# Allegro board LAY-27392_C.brd (continued)
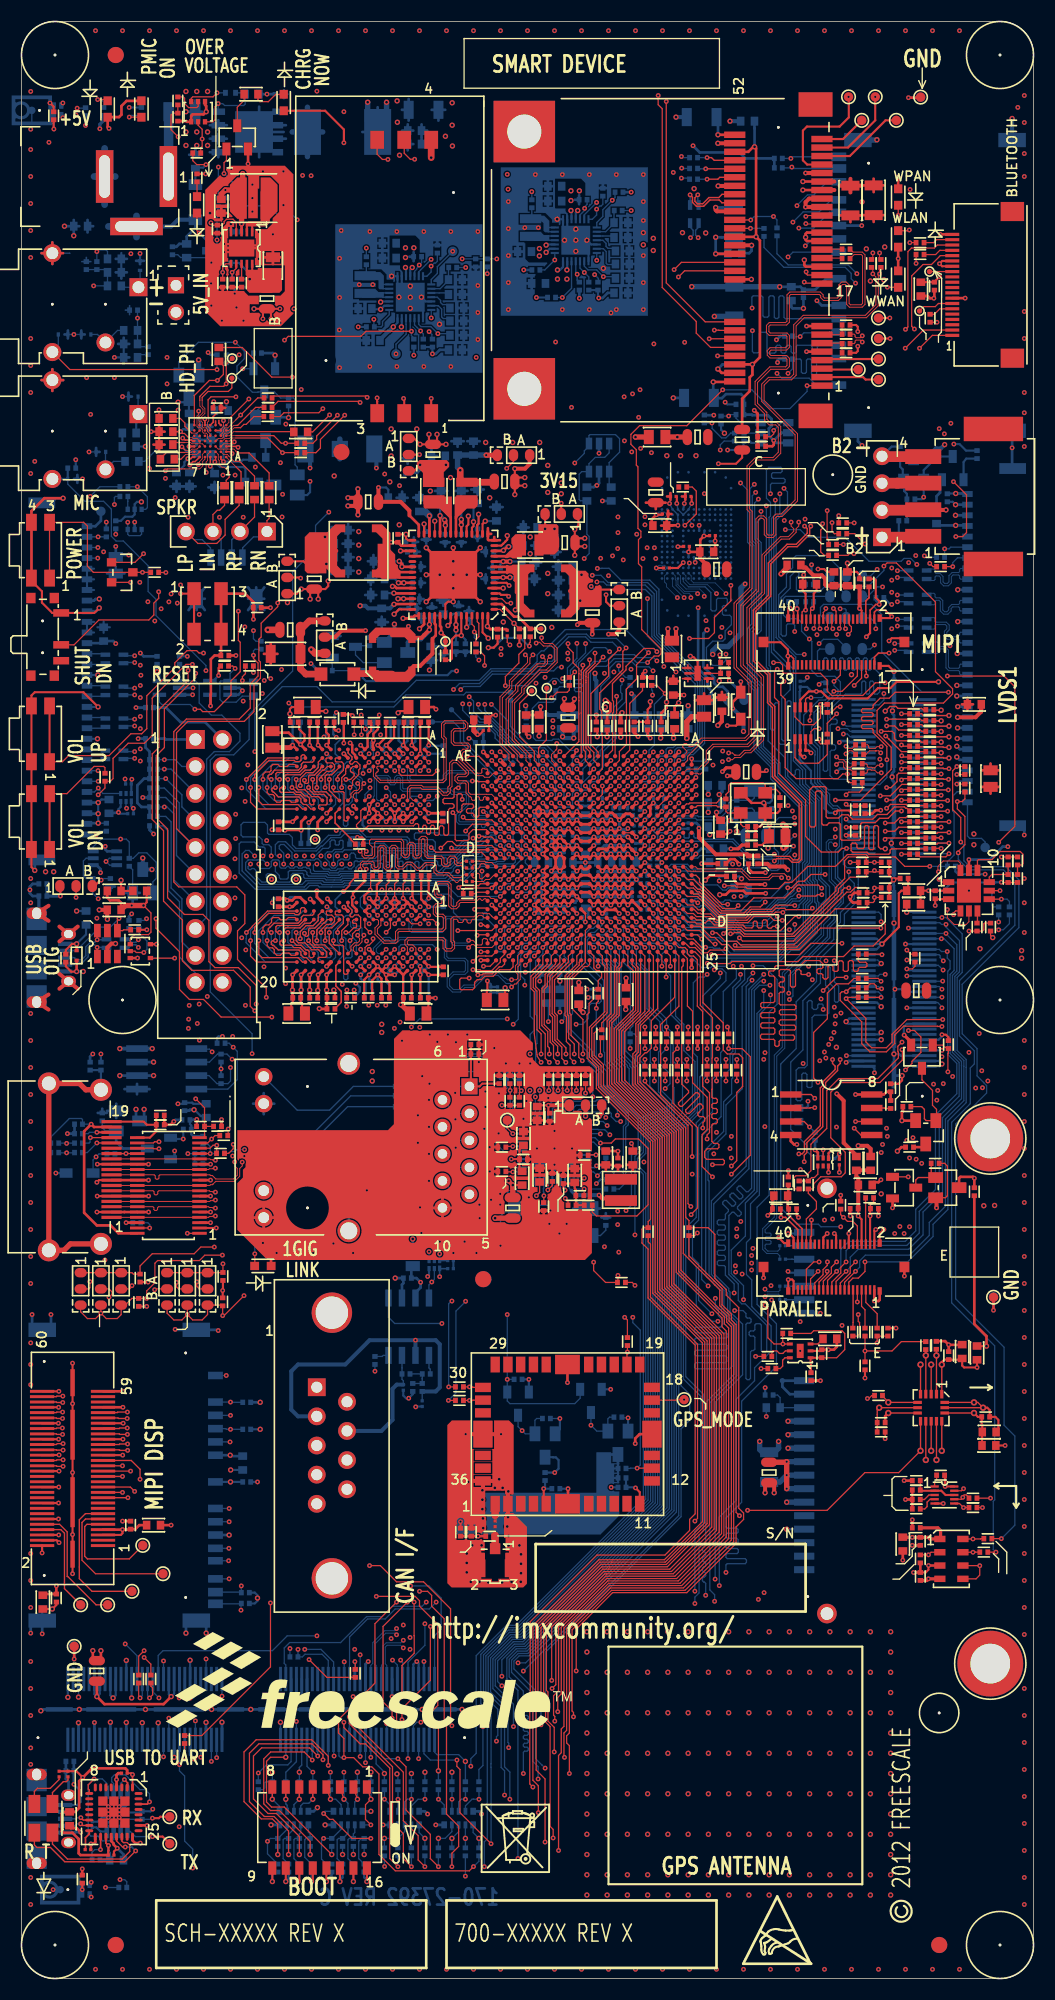
[diagram p0: board, top side]
## Routing (per net, layer and track width the routed paths; a pad name or vN(x,y) marks a point on that pad's centre or on a via; arc(x,y) is an arc through that point) (continued)
ZQPAD: length 1.6
  TOP w0.119: U1.AE17 42.8,102.21 42.67,102.08 R107.1

## Copper pours and planes (outline as drawn; the poured copper is in the pictures)
5V_IN on BOTTOM: 34.9,163.73 34.9,161.44 35.89,161.44 35.89,160.88 35.97,160.81 36.98,160.81 37.24,161.06 37.24,163.47 36.98,163.73
5V_IN on BOTTOM: 15.11,177.8 15.11,171.2 19.69,171.2 19.69,175.26 17.91,175.26 17.91,177.8
5V_IN on BOTTOM: 50.47,169.09 50.47,166.8 51.46,166.8 51.46,166.24 51.54,166.17 52.55,166.17 52.81,166.42 52.81,168.83 52.55,169.09
5V_IN on L4_PWR_1: 61.82,164.34 61.82,179.04 13.97,179.04 13.97,158.09 20.88,158.09 20.88,163.98 20.9,164.01 20.9,166.88 19.69,168.1 19.69,170.43 22.86,173.61 34.26,173.61 34.26,159.94 49.1,159.94 49.35,160.2 49.35,161.72 50.6,162.97 57.2,162.97 58.57,164.34
5V_IN on L6_INT_2: 53.47,165.46 52.73,164.72 51.03,164.72 51.03,169.16 51.28,169.42 60.66,169.42 62.71,167.36 68.33,167.36 70.69,165 70.69,161.85 78.05,154.48 93.73,154.48 94.74,153.47 94.74,86.39 93.88,85.52 86.03,85.52 85.8,85.75 85.8,87.53 86.11,87.83 89.51,87.83 90.3,88.62 90.3,89.15 89.26,90.2 89.26,93.52 90.65,94.92 90.65,95.66 92.08,97.08 92.08,122.81 90.65,124.23 90.65,139.55 88.34,141.86 88.34,145.67 87.38,146.63 79.93,146.63 65.89,160.68 61.75,160.68 56.97,165.46 ; 1 cut-out
DVDDL_RGMII on TOP: 54.36,75.77 54.36,74.55 58.04,74.55 58.04,76.96 54.03,76.96 53.9,76.83 53.9,76.23
GND on TOP (solid shape): outline of 162 points within 40.08,36.8 47.57,52.53
GND on TOP (solid shape): outline of 461 points within 17.3,155.45 25.6,170.56
GND on TOP (solid shape): outline of 2453 points within 20.32,67.61 53.85,89.23
GND on BOTTOM (solid shape): outline of 791 points within 45.11,156.44 58.95,170.41
GND on BOTTOM (solid shape): outline of 848 points within 29.54,151.08 43.38,165.05
GND on L3_INT_1 (solid shape): 82.17,6.73 52.7,6.73 52.7,33.27 82.17,33.27
GND on L4_PWR_1 (solid shape): outline of 83 points within 41.15,36.32 48.13,47.75
GND on TOP: 52.7,33.27 52.7,6.73 82.17,6.73 82.17,33.27
GND on TOP: 57.02,145.82 32.82,145.82 32.03,145.03 32.03,142.62 31.27,141.86 26.49,141.86 25.45,140.82 25.45,135.41 23.62,133.58 23.67,133.53 23.67,126.47 23.14,126.47 22.59,125.92 22.59,123.89 22.68,123.8 22.68,122.91 23.67,121.92 23.67,120.98 23.72,120.93 43.28,120.93 48.13,125.78 48.41,125.78 48.84,126.21 57.61,126.21 57.61,145.24 ; 15 cut-outs
GND on TOP: 74.85,166.37 74.85,164.97 76.63,164.97 76.86,164.74 81.36,164.74 81.56,164.95 81.56,166.24 81.43,166.37
GND on BOTTOM: 22.45,67.94 21.41,68.99 21.41,86.23 23.37,88.19 34.8,88.19 35.84,89.23 46.1,89.23 47.14,88.19 47.14,87.25 55.88,87.25 55.88,73.99 56.67,73.2 56.67,68.25 56.36,67.94 ; 12 cut-outs
GND on BOTTOM: 23.77,133.58 23.77,123.57 24.97,122.38 35.18,122.38 35.46,122.66 41.81,122.66 42.68,123.53 47.49,123.53 47.5,123.55 47.88,123.55 48.44,124.1 48.44,124.49 52.3,128.35 52.3,144.53 51.64,145.19 38.66,145.19 37.49,146.35 29.26,146.35 27.91,145.01 27.91,137.72
GND on BOTTOM: 37.29,176.86 37.29,172.06 40.94,172.06 40.94,176.86
GND on BOTTOM: 6.1,165.74 6.1,163.96 6.48,163.58 8.28,163.58 8.86,162.99 12.22,162.99 12.22,166.04 9.37,168.88 9.37,172.31 9.14,172.54 6.43,172.54 6.11,172.22 6.11,165.75
GND on L2_GND_1: 3.17,0.63 1.38,1.38 0.63,3.17 0.63,180.98 1.38,182.77 3.17,183.52 92.08,183.52 93.87,182.77 94.61,180.98 94.61,3.17 93.87,1.38 92.08,0.63 ; 1 cut-out
GND on L3_INT_1: 36.93,68.2 37.36,67.77 45.82,67.77 46.69,68.63 54.69,68.63 56.49,70.43 56.49,72.26 56.18,72.57 49.56,72.57 49.05,72.06 43.71,72.06 43.7,72.07 43.5,72.07 43.26,72.31 43.26,78.59 43.97,79.3 43.97,83.62 43.38,84.2 43.38,88.98 42.82,89.53 37.52,89.53 36.93,88.95
GND on L3_INT_1: 39.62,35.56 39.37,35.81 39.37,60.96 40,61.59 62.23,61.59 62.86,60.96 62.86,35.94 62.48,35.56 ; 1 cut-out
GND on L5_PWR_2: 94.61,3.17 93.87,1.38 92.08,0.63 3.17,0.63 1.38,1.38 0.63,3.17 0.63,180.98 1.38,182.77 3.17,183.52 92.08,183.52 93.87,182.77 94.61,180.98 ; 6 cut-outs
GND on L7_GND_2: 94.61,3.17 93.87,1.38 92.08,0.63 3.17,0.63 1.38,1.38 0.63,3.17 0.63,180.98 1.38,182.77 3.17,183.52 92.08,183.52 93.87,182.77 94.61,180.98
GND_ANALOG on TOP: 23.24,144.7 24.79,143.15 24.79,135.41 23.5,134.11 14.45,134.11 13.34,135.23 13.34,136.35 9.6,140.08 1.14,140.08 0.63,140.59 0.63,143.26 1.44,143.26 1.44,147.94 1.42,147.96 0.63,147.96 0.63,155.19 1.48,155.19 1.48,159.86 1.44,159.89 0.63,159.89 0.63,165.23 1.14,165.74 5.46,165.74 5.71,165.48 5.71,163.96 6.48,163.2 7.26,163.2 7.79,162.67 11.82,162.67 12.57,161.93 12.57,156.72 16,153.29 16,146.48 17.78,144.7
GND_ANALOG on BOTTOM: 1.14,140.08 0.63,140.59 0.63,143.26 1.3,143.26 1.32,143.28 1.32,147.96 0.63,147.96 0.63,155.19 1.37,155.19 1.37,159.8 1.28,159.89 0.63,159.89 0.63,165.23 1.14,165.74 5.46,165.74 5.71,165.48 5.71,163.96 6.48,163.2 8.13,163.2 8.64,162.69 11.81,162.69 12.57,161.93 12.57,156.72 14.12,155.17 14.12,148.54 15.15,147.51 15.15,145.66 15.39,145.42 16.08,145.42 17.35,146.69 20.19,146.69 21.04,145.83 21.04,142.74 21.18,142.6 23.55,142.6 23.7,142.75 23.7,143.03 23.93,143.26 24.56,143.26 24.79,143.03 24.79,135.15 22.1,132.46 16.76,132.46 12.34,136.88 12.34,139.4 11.66,140.08 ; 1 cut-out
GND_ANALOG on L2_GND_1: 1.32,139.9 0.63,140.59 0.63,165.23 1.14,165.74 5.46,165.74 5.71,165.48 5.71,163.96 6.48,163.2 11.3,163.2 12.57,161.93 12.57,156.72 18.19,151.1 15.62,148.54 15.62,145.97 17.35,144.25 23.39,144.25 24.77,142.88 24.77,135.64 23.88,134.75 14.86,134.75 9.7,139.9
GND_ANALOG on L3_INT_1: 6.5,140.08 2.26,144.32 2.26,164.9 3.1,165.74 5.46,165.74 5.71,165.48 5.71,163.96 6.48,163.2 8.15,163.2 8.66,162.69 11.81,162.69 12.57,161.93 12.57,156.72 17.86,151.43 17.86,150.77 15.62,148.54 15.62,145.97 17.35,144.25 23.39,144.25 24.77,142.88 24.77,135.64 23.88,134.75 14.86,134.75 9.52,140.08
GND_ANALOG on L6_INT_2: 4.57,155.32 11.79,155.32 20.57,146.53 20.57,144.02 24.77,139.83 24.77,135.64 23.88,134.75 14.86,134.75 9.52,140.08 4.57,140.08
GND_ANALOG on L7_GND_2: 1.14,140.08 0.63,140.59 0.63,165.23 1.14,165.74 5.46,165.74 5.71,165.48 5.71,163.96 6.48,163.2 11.3,163.2 12.57,161.93 12.57,156.72 14.12,155.17 14.12,148.51 15.57,147.07 15.98,147.07 16.56,147.65 16.79,147.65 16.92,147.52 16.92,146.25 17.2,145.97 20.9,145.97 23.62,143.26 24.38,143.26 24.79,142.85 24.79,135.36 22.43,132.99 16.64,132.99 12.47,137.16 12.47,139.65 11.3,140.82 6.68,140.82 5.94,140.08
P1V2_SW1 on TOP (solid shape): 53.39,132.16 53.38,132.12 53.43,131.82 53.7,131.67 53.8,131.62 53.81,131.51 53.8,131.45 53.75,131.37 53.66,131.34 53.34,130.77 53.97,130.94 54.02,131.02 54.11,131.05 54.24,131.06 54.36,131.11 54.4,131.15 54.61,130.94 54.61,129.29 54.36,129.03 53.09,129.03 53.09,129.03 51.56,129.03 51.56,132.46 53.09,132.46
P1V2_SW1C on TOP (solid shape): 50.55,136.65 50.55,134.37 50.16,133.99 48.64,133.99 48.64,136.84 50.36,136.84
P3V3_SW2 on TOP (solid shape): 38.18,142.87 39.29,142.88 39.5,142.87 40,142.88 40.26,142.62 40.26,142.24 39.75,141.73 39.75,140.34 37.78,140.34 37.78,141.67 37.21,142.24 37.21,142.62 37.46,142.88 37.97,142.88
VDD_ARM_CAP on L3_INT_1: 51.71,108 51.71,105.21 57.25,105.21 57.63,105.59 57.63,108
VDD_SNVS_CAP on L5_PWR_2: 58.19,109.35 58.19,107.75 59.23,107.75 59.28,107.7 66.93,107.7 66.93,109.35
VDDCORE on L5_PWR_2: 51.74,104.09 58.17,104.09 58.17,105.23 57.91,105.49 57.91,109.68 54.48,109.68 54.48,120.52 56.01,122.05 56.01,127.46 54.94,128.52 51.31,128.52 50.04,127.25 50.04,109.6 49.66,109.22 49.66,108.71 50.04,108.33 50.04,105.79
VDDHIGH_IN on L6_INT_2: 56.62,109.32 56.62,108.43 58.98,108.43 58.95,108.41 65.53,108.41 65.53,110.49 66.67,111.63 66.67,113.79 66.52,113.94 65.18,113.94 65.02,113.79 65.02,112.52 63.75,111.25 58.55,111.25
VDDHIGH_VPH on L4_PWR_1: 57.51,108.74 57.51,107.14 58.17,107.14 58.52,107.49 65.89,107.49 66.45,106.93 67.79,106.93 67.79,108.74
VDDPU on L4_PWR_1: 52.35,102.44 52.35,93.34 57.66,93.34 57.73,93.4 57.73,102.44
VDDSOC on L5_PWR_2: 45.97,113.92 45.97,117.09 43.33,119.74 43.33,119.79 40.18,122.94 40.18,125.35 40.16,125.37 42.88,125.37 42.93,125.32 42.93,127.63 46.74,131.45 46.74,136.12 47.45,136.83 52.83,136.83 53.34,136.32 53.34,129.44 52.81,128.91 51.31,128.91 49.66,127.25 49.66,105.92 51.64,103.94 58.09,103.94 58.17,103.86 58.17,101.27 58.09,101.19 48.11,101.19 48.08,101.22 46.35,101.22 45.34,102.23 45.34,113.28
VDDSOC_CAP on TOP: 50.42,117.86 50.42,116.71 50.55,116.59 52.2,116.59 52.32,116.71 52.32,117.86 52.2,117.98 50.55,117.98
VDDSOC_CAP on L4_PWR_1: 49.4,103.58 49.4,111.12 49.28,111.25 49.28,117.47 53.67,117.47 53.67,110.26 54.89,110.26 55.32,109.83 55.35,109.86 57.28,109.86 57.28,102.62 52.32,102.62 52.32,103.58
VDDSOC_VP on L4_PWR_1: 53.09,119.89 53.97,120.78 55.5,120.78 55.88,120.4 55.88,117.98 56.13,117.73 61.72,117.73 62.23,118.24 62.23,121.54 61.72,122.05 51.05,122.05 50.67,121.67 50.67,120.02 50.8,119.89
VDDSOC_VP on L5_PWR_2: 67.06,105.79 70.99,105.79 71.37,106.17 71.37,118.87 70.48,119.76 61.21,119.76 61.21,120.52 61.09,120.65 60.32,120.65 60.07,120.4 60.07,120.02 59.82,119.76 58.55,119.76 56.41,121.89 56.41,123.09 56.64,123.32 62.86,123.32 64.9,121.28 72.72,121.28 73.02,120.98 73.02,112.14 73.53,111.63 73.53,104.98 73.28,104.72 71.81,104.72 71.35,104.27 68.68,104.27 68.43,104.52 67.18,104.52 67.06,104.65
VDDUSB on L4_PWR_1: 60.02,108.81 60.3,109.09 65.02,109.09 65.02,110.87 64.77,111.12 60.43,111.12 59.16,109.86 57.4,109.86 57.4,108.84 57.43,108.81
(no net) on TOP: 53.7,70.61 53.7,80.8 52.7,81.79 52.7,82.42 53.85,83.57 53.85,85.47 53.47,85.85 48.77,85.85 48.13,86.49 48.13,88.04 46.94,89.23 35.86,89.23 35.06,88.43 35.06,86.4 35.05,86.39 35.05,80.39 34.49,79.83 20.32,79.83 20.32,70.46 23.16,67.61 53.04,67.61 53.68,68.26 53.68,70.6 ; 2 cut-outs
(no net) on TOP: 40.77,139.45 40.77,137.16 41.91,138.3 42.67,138.3 42.93,138.56 42.93,139.32 41.27,139.32 41.27,139.45
(no net) on TOP: 29.72,136.08 29.72,132.65 28.7,132.65 28.7,132.21 26.92,132.21 26.67,132.46 26.67,135.64 27.11,136.08
(no net) on TOP: 47.69,130.11 47.69,132.27 48.07,132.65 48.07,133.03 45.66,133.03 45.59,132.97 45.59,132.21 46.42,131.38 46.42,130.37 46.67,130.11
(no net) on TOP: 40.51,137.16 39.37,138.3 37.97,138.3 37.85,138.43 37.85,139.32 39.75,139.32 39.75,139.45 40.51,139.45
(no net) on TOP: 33.91,131.7 35.69,131.7 35.69,133.48 35.18,133.48 35.18,133.99 34.16,135 33.53,135 33.53,132.46 33.27,132.21 33.27,131.95 33.4,131.83 33.78,131.83
(no net) on TOP: 39.75,140.34 37.78,140.34 37.78,141.67 37.21,142.24 37.21,142.62 37.46,142.88 40,142.88 40.26,142.62 40.26,142.24 39.75,141.73
(no net) on TOP: 24.79,170.56 19.58,170.56 17.3,168.28 17.3,156.87 18.72,155.45 24.41,155.45 25.6,156.64 25.6,169.75 ; 3 cut-outs
(no net) on TOP: 22.25,160.93 22.25,160.78 21.11,160.78 21.11,160.27 21.23,160.15 21.23,159.77 21.25,159.75 21.25,158.81 21.46,158.6 24.28,158.6 24.54,158.85 24.54,160.93
(no net) on TOP: 23.39,168.15 22.5,168.15 22.5,165.35 21.36,165.35 21.11,165.1 21.11,164.85 23.01,164.85 23.39,165.23
(no net) on TOP: 51.56,129.03 51.56,132.46 53.09,132.46 54.61,130.94 54.61,129.29 54.36,129.03
(no net) on TOP: 40.08,52.1 40.08,37.21 40.49,36.8 47.22,36.8 47.57,37.16 47.57,42.49 46.33,43.74 46.33,52.07 45.87,52.53 40.51,52.53
(no net) on TOP: 48.64,133.99 48.64,136.84 50.36,136.84 50.55,136.65 50.55,134.37 50.16,133.99
(no net) on TOP: 47.12,135.89 47.12,133.73 46.99,133.6 45.47,133.6 45.47,133.86 46.1,134.49 46.1,135.51 46.48,135.89
(no net) on BOTTOM: 48.97,165.3 47.6,165.3 47.6,165.86 49.2,165.86 49.68,165.38 49.68,164.95 50.32,164.95 50.32,164.29 49.28,164.29 49.12,164.44 49.12,165.15
(no net) on BOTTOM: 29.54,165.05 43.38,165.05 43.38,151.08 29.54,151.08
(no net) on BOTTOM: 34.75,158.67 33.6,158.67 33.38,158.9 32.03,158.9 32.03,158.14 34.75,158.14
(no net) on BOTTOM: 33.6,159.79 32.03,159.79 32.03,160.55 33.78,160.55 34.11,160.22 34.11,159.59 34.75,159.59 34.75,158.93 33.71,158.93 33.6,159.03
(no net) on BOTTOM: 56.26,49.53 56.26,43.56 54.48,41.78 40.89,41.78 40.89,45.72 54.1,45.72 54.1,49.53
(no net) on BOTTOM: 50.32,164.03 49.17,164.03 48.95,164.26 47.6,164.26 47.6,163.53 50.32,163.53
(no net) on BOTTOM: 45.11,170.41 58.95,170.41 58.95,156.44 45.11,156.44
(no net) on L4_PWR_1: 41.15,47.75 41.15,36.32 48.13,36.32 48.13,47.75
AUD_1V8 on TOP: 18.82,148.62 19.43,148.62 19.56,148.49 19.56,147.5 18.8,146.74 18.8,146.53 18.75,146.48 17.98,146.48 17.98,147.02 18.67,147.7 18.67,148.46
AUD_1V8 on L4_PWR_1: 12.24,138.48 11.13,138.48 10.82,138.79 10.82,141.99 14.1,145.26 14.07,145.29 14.07,148.49 14.55,148.97 19.53,148.97 19.91,148.59 19.91,146.15
AUX_3V15 on L3_INT_1: 44.75,145.34 44.23,144.82 44.23,143.7 44.25,143.69 44.25,140.97 42.42,139.14 42.42,136.27 44.32,136.27 55.68,147.62 55.68,153.29 59.92,157.53 59.92,164.03 59.39,164.57 56.24,164.57 55.8,164.13 55.8,158.7 52.68,155.58 52.65,155.58 50.7,153.62 50.72,153.59 50.72,148.29 47.78,145.34
AUX_3V15 on L4_PWR_1: 94.61,95.38 94.61,164.08 58.93,164.08 58.08,163.23 58.08,162.5 58.78,161.8 62.38,161.8 63.53,160.66 79.88,160.66 87.12,153.42 87.12,141.22 88.01,140.34 89.66,140.34 91.19,138.81 91.19,98.68 89.92,97.41 89.92,95.88 90.42,95.38
AUX_3V15 on L5_PWR_2: 90.8,98.42 91.82,98.42 91.82,95.38 92.33,94.87 94.11,94.87 94.61,94.36 94.61,90.04 94.11,89.53 84.58,89.53 82.17,87.12 82.17,43.31 58.93,20.07 52.37,20.07 51.61,19.3 0.63,19.3 0.63,27.94 6.48,27.94 7.62,26.8 7.62,24.89 41.53,24.89 55.75,39.12 55.75,53.09 56.64,53.97 62.86,53.97 62.86,43.81 64.64,42.04 72.39,42.04 73.34,42.99 73.34,72.45 76.83,75.95 76.83,93.73 80.64,97.54 81.41,97.54 83.95,95 87.38,95
AUX_5V on L5_PWR_2: 12.57,61.59 5.33,68.83 5.33,130.94 8.13,133.73 8.13,153.29 9.52,154.69 18.82,154.69 22.38,158.24 24.46,158.24 25.04,157.66 25.04,150.01 22.35,147.32 22.35,134.62 21.72,133.99 18.92,133.99 9.65,124.71 9.65,79.76 11.94,77.47 11.94,71.63 13.46,70.1 68.07,70.1 68.96,69.22 68.96,49.53 71.37,47.12 71.37,45.21 70.99,44.83 68.07,44.83 64.9,48.01 64.9,60.32 63.63,61.59
AUX_5V_LX on TOP (solid shape): 23.39,165.23 23.01,164.85 21.11,164.85 21.11,165.1 21.36,165.35 22.5,165.35 22.5,168.15 23.39,168.15
AUX_5V_POUT on TOP (solid shape): 24.54,158.85 24.28,158.6 21.46,158.6 21.25,158.81 21.25,159.75 21.23,159.77 21.23,160.15 21.11,160.27 21.11,160.78 22.25,160.78 22.25,160.93 24.54,160.93
BATTERY_1 on BOTTOM: 51.59,160.88 51.59,159.54 51.1,159.05 48.95,159.05 48.95,159.92 50.09,161.06 51.41,161.06
BATTERY_1 on L4_PWR_1: 86.23,140.34 76.2,140.34 76.2,144.27 75.06,144.27 74.93,144.4 74.93,150.5 68.07,157.35 58.57,157.35 56.62,159.31 50.39,159.31 50.04,159.66 50.04,162.13 50.57,162.66 57.53,162.66 58.65,161.54 62.28,161.54 63.45,160.38 79.68,160.38 86.61,153.44 86.61,140.36 86.23,140.36
BATTERY_2 on L4_PWR_1: 74.8,139.19 82.55,139.19 83.87,139.22 83.87,134.87 81.2,134.87 81.08,135 69.47,135 67.3,137.17 67.3,148.78 66.22,149.86 58,149.86 53.31,154.55 49.97,154.55 47.8,156.72 38.1,156.72 36.02,154.64 34.67,154.64 34.21,155.09 34.21,159.66 49.66,159.66 50.32,159 56.39,159 58.67,156.72 67.56,156.72 74.8,149.48
BCH1_CS on BOTTOM (solid shape): 49.17,164.03 49.68,164.03 49.68,163.57 49.67,163.54 49.64,163.55 47.82,163.55 47.8,163.53 47.6,163.53 47.6,164.26 48.95,164.26
BCH1_LX on BOTTOM (solid shape): 49.68,165.38 49.68,164.98 49.68,164.98 49.68,164.29 49.28,164.29 49.12,164.44 49.12,165.15 48.97,165.3 47.6,165.3 47.6,165.86 49.2,165.86
BCH2_CS on BOTTOM (solid shape): 33.6,158.67 34.11,158.67 34.11,158.14 32.03,158.14 32.03,158.9 33.38,158.9
BCH2_LX on BOTTOM (solid shape): 34.11,160.22 34.11,159.62 34.11,159.62 34.11,158.93 33.71,158.93 33.6,159.03 33.6,159.79 32.03,159.79 32.03,160.55 33.78,160.55
DDR_1V5 on L4_PWR_1: 51.92,100.56 51.92,103.23 49.23,103.23 49.23,109.55 47.37,111.4 47.37,111.38 46.99,111.76 46.99,117.22 41.53,117.22 37.08,121.67 31.37,121.67 28.7,124.33 28.7,130.05 26.8,131.95 20.7,131.95 20.7,90.68 51.69,90.68 51.94,90.93 51.94,100.53
DDR_VREF on L5_PWR_2: 45.59,114.17 44.96,113.54 44.96,92.2 43.81,91.06 25.15,91.06 22.99,93.22 22.99,118.62 24,119.63 28.83,119.63 29.72,120.52 29.72,125.48 32.77,128.52 32.77,130.18 32.13,130.81 32.13,135.26 32.89,136.02 35.69,136.02 36.07,135.64 36.07,134.37 35.69,133.99 35.18,133.99 34.37,133.17 34.37,127.13 36.2,125.3 39.6,125.3 39.6,122.73 39.59,122.72 45.59,116.71
DISP0_BAT on BOTTOM: 78.11,108.46 78.11,106.55 80.52,106.55 80.52,108.46
DISP0_PWR on TOP: 80.01,95.63 80.01,88.14 80.21,87.93 81.25,87.93 81.48,88.16 81.48,89.03 81.99,89.53 82.35,89.53 83.69,90.88 83.69,94.23 81.91,96.01 80.39,96.01
EMMCIO_3V3 on TOP: 58.67,139.32 58.67,133.35 59.05,132.97 63.12,132.97 63.12,139.95 60.58,139.95 60.45,139.83 60.45,139.57 60.32,139.45 58.8,139.45
ETH_3V3 on L3_INT_1: 52.7,100.71 52.7,99.82 52.58,99.69 52.58,99.06 52.96,98.68 52.96,92.96 50.36,90.36 49.72,90.36 46.99,87.63 46.99,79.12 46.74,78.87 46.1,78.87 45.72,78.49 45.72,75.69 45.97,75.44 46.74,75.44 46.99,75.18 46.99,74.42 46.74,74.17 44.45,74.17 43.94,74.68 43.94,88.52 50.8,95.38 50.8,100.58 51.05,100.84 52.58,100.84
ETH_3V3 on L6_INT_2: 45.59,74.93 45.59,73.91 47.24,72.26 54.1,72.26 54.48,72.64 54.48,74.93 54.23,75.18 50.67,75.18 48.89,73.41 47.88,73.41 46.86,74.42 46.86,74.93 46.61,75.18 45.85,75.18
ETH_AVDDL on L3_INT_1: 45.97,78.36 45.97,75.82 46.1,75.69 48.26,75.69 48.64,75.31 48.64,73.91 48.89,73.66 50.16,73.66 50.42,73.91 50.42,75.31 50.8,75.69 56.77,75.69 57.66,76.58 57.66,78.61 57.47,78.8 55.56,78.8 55.37,78.61 46.23,78.61
GEN_1V8 on L4_PWR_1: 27.69,132.21 27.69,131.57 29.08,130.18 29.08,124.33 31.52,121.89 37.36,121.89 41.53,117.73 56.52,117.73 56.64,117.6 59.82,117.6 59.82,106.1 67.23,106.1 67.31,106.17 67.31,60.83 71.37,56.77 71.37,54.99 86.61,54.99 86.61,72.52 86.23,72.9 80.64,72.9 80.14,73.41 80.14,77.09 77.34,77.09 77.34,81.72 80.71,85.09 80.71,90.23 81.79,91.31 81.79,111.25 70.61,111.25 69.22,112.65 69.22,113.79 69.72,114.3 80.9,114.3 81.53,114.94 81.53,124.84 77.42,128.96 51.33,128.96 51.18,128.8 51.18,128.12 47.29,128.12 47.32,128.09 47.32,124.21 38.73,124.21 33.66,129.29 33.66,140.34 21.08,140.34 17.02,136.27 17.02,128.65 16.64,128.27 11.94,128.27 12,128.21 12,123.63 11.94,123.57 11.94,113.54 9.4,111 9.4,29.46 8.51,28.57 4.45,28.57 3.94,28.07 3.94,25.27 4.83,24.38 8.64,24.38 9.4,23.62 9.4,15.24 9.91,14.73 14.48,14.73 15.49,15.75 15.49,24.13 14.35,25.27 14.35,59.56 11.05,62.86 11.05,67.31 13.97,70.23 13.97,89.79 14.73,90.55 20.57,90.55 20.57,132.21
GEN_2V5 on L4_PWR_1: 47.12,120.02 47.12,118.11 47.5,117.73 55.12,117.73 55.63,118.24 55.63,120.27 55.24,120.65 54.23,120.65 53.21,119.63 50.67,119.63 50.04,120.27 47.37,120.27
GEN_2V5 on L5_PWR_2: 71.25,118.62 70.36,119.51 61.09,119.51 61.09,120.4 60.96,120.52 60.45,120.52 60.32,120.4 60.32,120.02 59.82,119.51 58.55,119.51 56.77,121.28 55.63,121.28 54.74,120.4 54.74,118.16 54.91,117.98 68.71,117.98 69.22,117.47 69.22,106.05 70.99,106.05 71.25,106.3
GEN_3V3 on TOP: 58.55,143.54 58.55,140.51 58.69,140.37 60.49,140.37 60.67,140.2 62.1,140.2 62.1,140.67 62.31,140.87 63.8,140.87 65.91,138.76 65.91,131.67 66.07,131.52 67.51,131.52 67.82,131.83 67.82,139.7 66.78,140.74 66.78,145.75 66.55,145.97 64.29,145.97 64.14,145.82 64.14,144.15 63.68,143.69 58.7,143.69
GEN_3V3 on BOTTOM: 73.91,82.98 73.91,81.33 75.44,79.81 75.44,77.93 75.87,77.5 82.52,77.5 83.44,78.41 83.44,81.28 80.98,83.74 74.68,83.74
GEN_3V3 on L4_PWR_1: 94.61,3.17 93.87,1.38 92.08,0.63 3.17,0.63 1.38,1.38 0.63,3.17 0.63,180.98 1.38,182.77 3.17,183.52 92.08,183.52 93.87,182.77 94.61,180.98 ; 2 cut-outs
GEN_3V3 on L5_PWR_2: 46.99,142.67 46.99,152.6 46.88,152.72 33.31,152.72 31.23,154.8 31.23,155.49 31.55,155.81 32.18,155.81 33.4,154.58 46.51,154.58 46.51,161.34 48.21,161.34 48.21,154.58 70.93,154.58 70.95,154.56 70.95,153.84 70.99,153.8 70.99,148.62 90.04,148.62 90.04,134.72 90.02,134.7 90.02,116.33 89.66,115.98 83.74,115.98 83.31,116.41 83.31,132.56 82.17,133.71 75.23,133.71 72.92,136.02 70.79,136.02 64.54,142.27 47.4,142.27
GEN_3V3 on L5_PWR_2: 82.3,81.66 82.3,71.45 83.19,70.56 94.03,70.56 94.61,71.15 94.61,75.21 94.03,75.79 88.34,75.79 87.63,76.5 87.63,81.56 87.05,82.14 82.78,82.14
GPS_3V15 on BOTTOM (solid shape): outline of 406 points within 40.89,41.78 56.26,49.53
HDMI_VP on BOTTOM: 57.66,112.42 57.66,110.24 55.37,110.24 55.12,110.49 55.12,111 55.63,111.51 55.63,112.52 55.37,112.78 55.37,115.82 56.13,116.59 56.13,117.09 58.17,117.09 58.29,116.97 58.29,113.06
HDMI_VPH on L4_PWR_1: 56.03,117.35 54.79,117.35 54.79,111.33 54.46,111 54.46,110.49 54.56,110.39 54.94,110.39 55.24,110.08 56.03,110.08
LDO_REG_IN on TOP: 60.45,121.79 62.71,121.79 62.79,121.87 62.79,123.19 65.28,123.19 65.28,125.09 64.9,125.48 62.56,125.48 61.87,124.79 60.58,124.79 60.2,124.41 60.2,122.05
LDO_REG_OUT on TOP: 66.8,122.43 66.8,120.52 66.5,120.22 65.43,120.22 65.1,119.89 63.2,119.89 63.04,120.04 63.04,121.82 63.93,121.82 64.16,122.05 64.16,122.43
LVDS0_5V on BOTTOM: 5.71,130.3 7.24,130.3 7.24,128.27 6.98,128.27 6.86,128.14 6.86,127.89 5.71,127.89 5.71,126.36 8.64,126.36 9.52,127.25 10.41,127.25 11.56,128.4 11.56,131.95 10.29,133.22 5.71,133.22
LVDS1_5V on TOP: 87.76,121.28 87.76,119.25 89.28,119.25 89.28,117.09 87.76,117.09 87.76,114.81 88.01,114.55 89.28,114.55 89.53,114.3 89.53,113.28 89.66,113.16 92.58,113.16 92.96,113.54 92.96,120.65 92.33,121.28
LVDS_2V5 on L4_PWR_1: 49.28,111 49.28,110.24 48.77,110.24 47.24,111.76 47.24,117.47 48.89,117.47 48.89,111.38
MECHPAD on BOTTOM: 15.37,130.94 15.37,128.65 15.62,128.4 20.42,128.4 20.42,127.18 20.57,127.03 22.99,127.03 23.24,127.28 23.24,130.94 22.99,131.19 15.62,131.19
MPCIE_3V3 on TOP: 74.96,166.65 74.96,168.55 75.84,168.55 76.89,169.6 81.13,169.6 81.53,169.19 81.53,167.01 81.18,166.65
MPCIE_3V3 on L5_PWR_2: 71.37,148.92 90.17,148.92 90.17,163.96 83.69,170.43 79.88,170.43 76.33,173.99 64.77,173.99 63.78,173 63.78,154.86 71.37,154.86
MPCIE_3V3 on L6_INT_2: 72.77,169.42 72.77,167.89 73.05,167.61 83.79,167.61 84.04,167.86 84.04,169.48 83.85,169.67 73.02,169.67
NVCC_3V3 on L3_INT_1: 52.81,104.95 52.81,99.8 52.7,99.69 52.7,99.19 52.96,98.93 54.23,98.93 55.12,99.82 55.85,99.82 57.48,101.45 59.13,101.45 59.13,105.36 58.24,105.36 57.84,104.95
NVCC_3V3 on L5_PWR_2: 58.42,101.22 63.37,101.22 64.45,102.3 65.15,102.3 65.28,102.43 68.36,102.43 68.58,102.64 68.58,104.01 68.33,104.27 66.93,104.27 66.93,105.79 58.42,105.79
NVCC_3V3 on L6_INT_2: 52.17,110.9 52.07,110.79 52.07,109.8 52.41,109.46 52.4,109.45 52.4,105.74 53.7,104.44 54.43,104.44 57.48,101.4 58.72,101.4 58.9,101.57 58.9,105.31 56.26,107.95 56.26,109.17 57.4,110.31 57.4,110.87 57.15,111.12 55.96,111.12 55.32,110.49 54.56,110.49 54.33,110.26 53.67,110.26 53.04,110.9
NVCC_CSI on L4_PWR_1: 54.46,111.2 54.46,113.08 54.58,113.21 54.58,117.35 53.8,117.35 53.8,111.46 53.7,111.35 53.7,110.44 53.75,110.39 54.23,110.39 54.31,110.46 54.31,111.05
NVCC_CSI on L6_INT_2: 54.51,117.22 53.09,117.22 53.09,113.28 52.96,113.16 52.96,111.18 53.75,110.39 54.13,110.39 54.51,110.77
NVCC_EIM on L5_PWR_2: 53.09,100.79 53.09,95.38 52.07,94.36 52.07,92.71 56.77,92.71 56.95,92.89 56.95,100.79
NVCC_MIPI on L4_PWR_1: 56.16,111.43 56.29,111.56 56.29,117.35 58.45,117.35 58.45,111.1 58.32,110.97 58.32,110.11 56.16,110.11
NVCC_MIPI on L5_PWR_2: 54.86,110.08 54.86,117.73 56.85,117.73 56.85,110.08
NVCC_PLL_OUT on L5_PWR_2: 60.43,110.39 60.43,111.51 62.1,113.18 62.1,117.73 65.91,117.73 66.67,116.97 66.67,114.68 66.23,114.24 66.23,109.79 66.01,109.58 59.94,109.58 59.94,109.91
NVCC_RGMII on L4_PWR_1: 58.04,91.69 54.99,88.65 54.99,86.49 51.05,82.55 51.05,82.17 52.45,80.77 53.34,80.77 57.91,85.34 57.91,89.28 60.25,91.62 60.25,101.63 58.04,101.63
NVCC_SD1 on L4_PWR_1: 64.77,102.95 64.77,103.73 64.49,104.01 58.29,104.01 58.17,104.14 57.4,104.14 57.4,102.62 58.04,102.62 58.04,102.11 58.12,102.03 63.86,102.03
OTG_SHELL_GND on TOP: 0.66,90.8 4.7,90.8 5.33,91.44 5.33,100.97 4.83,101.47 0.69,101.47 0.69,101.32 0.66,101.3 ; 1 cut-out
OTG_VBUS on BOTTOM: 11.56,101.22 14.02,101.22 14.53,100.71 14.53,95.96 15.24,95.25 15.24,83.69 12.19,80.64 7.37,80.64 6.86,81.15 6.86,82.3 9.14,84.58 12.45,84.58 12.57,84.71 12.57,93.9 11.53,94.95 11.53,98.02 11.13,98.42 10.87,98.42 7.72,101.57 7.72,103.02 8.08,103.38 11.3,103.38 11.56,103.12
OTG_VBUS_CHGR on TOP: 12.7,105.54 12.7,104.01 12.32,103.63 2.03,103.63 1.78,103.89 1.78,104.9 2.03,105.16 3.43,105.16 3.56,105.28 3.56,105.79 3.68,105.92 12.32,105.92
OTG_VBUS_CHGR on L6_INT_2: 15.88,156.34 4.45,156.34 3.68,155.58 3.68,132.97 4.19,132.46 4.19,103.89 3.94,103.63 0.89,103.63 0.63,103.89 0.63,161.86 0.7,161.93 11.56,161.93 12.5,160.99 14.02,160.99 15.47,162.43 23.57,162.43 25.3,160.71 25.3,157.18 31.01,157.18 31.93,156.26 37.52,156.26 38.61,157.35 52.63,157.35 54.36,159.08 55.5,159.08 55.5,154.69 44.4,154.69 41.58,151.87 26.31,151.87 24.23,153.95 15.88,153.95
OVPROT_5V on BOTTOM: 21.97,177.8 21.97,170.43 29.08,170.43 29.08,177.8
PCIE_VP on L5_PWR_2: 57.18,110.13 57.18,117.12 57.15,117.14 57.15,117.73 59.69,117.73 59.69,116.2 59.31,115.82 59.31,114.05 58.5,113.23 58.5,110.52 58.12,110.13
PCIE_VPH on L4_PWR_1: 58.75,111.23 58.75,117.35 60.88,117.35 60.88,112.01 59.11,110.24 58.45,110.24 58.45,110.92
PCIE_VPTX on L5_PWR_2: 58.37,110.11 58.37,109.52 59.33,109.52 60.05,110.24 60.05,111.51 60.06,111.52 60.06,111.77 61.72,113.44 61.72,117.73 59.94,117.73 59.94,116.08 59.69,115.82 59.69,114.05 58.8,113.16 58.8,110.54
PMIC_5V on TOP: 89.03,110.74 89.03,106.17 89.41,105.79 90.55,105.79 90.68,105.92 90.68,107.82 92.84,109.98 92.84,112.27 92.46,112.65 89.66,112.65 89.41,112.39 89.41,111.12
PMIC_5V on L5_PWR_2: 31.88,89.03 31.88,83.82 32.13,83.57 43.94,83.57 44.2,83.82 65.28,83.82 68.45,86.99 68.45,102.13 68.86,102.54 68.86,104.42 70.76,104.42 71.42,105.08 72.44,105.08 73.51,104.01 85.34,104.01 89.28,107.95 89.92,107.95 90.17,107.7 90.17,102.36 88.27,100.46 80.61,100.46 79.12,98.96 77.88,98.96 73.41,94.49 73.41,83.31 67.69,77.6 15.75,77.6 12.45,80.9 12.45,122.68 17.78,128.02 27.81,128.02 29.08,126.75 29.08,120.65 28.57,120.14 23.88,120.14 22.73,119 22.73,92.84 24.89,90.68 30.23,90.68
SATA_VP on L4_PWR_1: 64.39,104.32 64.64,104.57 64.64,105.46 64.39,105.71 59.46,105.71 59.16,106.02 58.19,106.02 58.19,105.92 57.4,105.92 57.4,104.27 57.45,104.32
SATA_VPH on L4_PWR_1: 59.18,106.15 59.44,105.89 64.52,105.89 64.74,105.66 66.93,105.66 67.06,105.79 67.06,106.68 66.42,107.31 58.65,107.31 58.39,107.06 57.53,107.06 57.4,106.93 57.4,106.17 57.43,106.15
SW1CLX on TOP (solid shape): 47.12,133.73 46.99,133.6 46.23,133.6 46,133.7 45.76,133.64 45.55,133.64 45.52,133.66 45.47,133.68 45.47,133.86 45.97,134.36 45.97,134.36 46.23,134.65 46.1,135.01 46.1,135.51 46.48,135.89 47.12,135.89
SW1LX on TOP (solid shape): 48.07,132.65 47.69,132.27 47.69,130.11 46.67,130.11 46.42,130.37 46.42,131.38 46.25,131.55 46.28,131.6 46.32,131.97 46.02,132.2 45.97,132.21 45.93,132.2 45.83,132.18 45.75,132.13 45.7,132.1 45.59,132.21 45.59,132.97 45.63,133.01 45.76,133.01 45.78,133 46,132.94 46.22,133.03 48.07,133.03
SW2LX on TOP (solid shape): 40.51,137.34 40.47,137.27 40.38,137.29 39.37,138.3 37.97,138.3 37.85,138.43 37.85,139.32 39.75,139.32 39.75,139.45 40.51,139.45
SW3_1V5 on TOP (solid shape): 29.72,132.65 28.7,132.65 28.7,132.21 28.19,132.21 26.92,132.21 26.67,132.46 26.67,135.64 27.11,136.08 29.72,136.08
SW3LX on TOP (solid shape): 35.18,133.99 35.18,133.37 35.24,133.14 35.42,132.99 35.44,132.97 35.47,132.68 35.66,132.49 35.69,132.48 35.69,131.7 35.48,131.7 35.42,131.7 33.91,131.7 33.78,131.83 33.4,131.83 33.27,131.95 33.27,132.21 33.53,132.46 33.53,135 34.16,135
SW4LX on TOP (solid shape): 41.27,139.32 42.93,139.32 42.93,138.56 42.67,138.3 41.91,138.3 41.24,137.64 41.13,137.56 41.05,137.45 41.05,137.44 40.9,137.29 40.81,137.27 40.77,137.34 40.77,139.45 41.27,139.45
SYS_4V2 on TOP: 94.61,97.16 94.61,95.63 94.36,95.38 91.95,95.38 91.31,94.74 91.31,92.71 89.53,92.71 88.77,91.95 88.77,90.93 88.27,90.42 85.34,90.42 84.71,91.06 84.71,94.23 88.01,97.54 94.23,97.54
SYS_4V2 on TOP: 39.37,136.27 39.37,137.67 39.62,137.67 40.13,137.16 40.13,136.4 40,136.27
SYS_4V2 on BOTTOM: 31.8,178.23 31.8,171.4 36.93,171.4 36.93,178.23
SYS_4V2 on BOTTOM: 49.63,163.2 49.63,161.9 49.45,161.72 47.85,161.72 47.68,161.9 47.68,163.04 47.93,163.3 49.53,163.3
SYS_4V2 on L5_PWR_2: outline of 86 points within 0.63,25.27 94.61,181.36
USB_H1_VBUS on TOP: 34.42,88.01 34.04,87.63 23.11,87.63 21.84,86.36 8.64,86.36 8.64,88.77 11.18,88.77 12.19,89.79 27.94,89.79 28.57,90.42 34.16,90.42 34.42,90.17
USB_H1_VBUS on L3_INT_1: 60.86,108.43 61.37,108.43 61.72,108.08 63.96,108.08 65.41,106.63 65.41,103.02 65.91,102.51 65.91,101.35 65.74,101.17 64.82,101.17 64.01,101.98 64.01,106.55 63.73,106.83 61.44,106.83 60.58,107.7 60.58,108.15
USB_H1_VBUS on L5_PWR_2: 33.15,88.52 55.88,88.52 63.75,96.39 63.75,98.81 65.91,100.97 65.91,101.98 65.79,102.11 64.77,102.11 63.75,101.09 58.42,101.09 58.27,100.94 57.4,100.94 57.28,100.81 57.28,92.58 57.02,92.33 45.72,92.33 44.07,90.68 33.15,90.68 32.89,90.42 32.89,88.77
USB_OTG_CON_VBUS on L3_INT_1: 8.76,100.2 8.76,96.27 6.73,94.23 4.83,94.23 4.06,95 4.06,98.42 6.73,101.09 7.87,101.09
USB_OTG_VBUS on TOP: 10.03,85.47 10.03,81.53 10.29,81.28 11.43,81.28 11.94,81.79 11.94,83.06 12.07,83.19 17.78,83.19 20.57,80.39 34.04,80.39 34.42,80.77 34.42,86.74 34.04,87.12 23.24,87.12 21.97,85.85 10.41,85.85
USB_OTG_VBUS on L3_INT_1: 60.07,109.6 59.82,109.35 59.82,108.71 60.02,108.51 64.24,108.51 65.68,107.06 65.68,103.58 66.17,103.1 66.17,101.96 66.6,101.52 67.23,101.52 67.56,101.85 67.56,106.81 64.77,109.6
USB_OTG_VBUS on L5_PWR_2: 33.15,88.14 56.13,88.14 64.14,96.14 64.14,98.68 66.17,100.71 66.17,101.85 66.5,102.18 67.94,102.18 68.33,101.8 68.33,87.25 65.02,83.95 32.64,83.95 32.38,84.2 32.38,87.38
VGEN1_1V5 on TOP: 51.56,141.48 49.53,141.48 46.48,138.43 43.94,138.43 43.31,137.8 43.31,136.78 43.94,136.78 44.58,137.41 47.37,137.41 49.15,139.19 51.18,139.19 51.82,139.83 51.82,141.22
VGEN1_1V5 on L5_PWR_2: outline of 94 points within 36.58,29.21 91.82,143
VGEN2_1V5 on BOTTOM: 71.75,76.33 71.75,72.62 72.64,71.73 78.92,71.73 79.76,72.57 80.7,72.57 81.33,73.2 81.33,76.38 80.87,76.83 72.26,76.83
VGEN2_1V5 on L4_PWR_1: 80.42,132.69 76.91,132.69 76.53,133.07 74.88,133.07 74.5,132.69 74.14,132.69 73.91,132.46 68.07,132.46 62.99,137.54 53.11,137.54 52.17,136.6 41.15,136.6 41.15,146.18 41.27,146.3 51.31,146.3 55.88,141.73 66.67,141.73 66.67,137.54 69.6,134.62 86.72,134.62 89.53,131.8 89.53,98.93 88.65,98.04 88.65,83.31 85.34,80.01 85.34,73.15 80.77,73.15 80.39,73.53 80.39,80.39 85.72,85.72 85.72,88.11 86.87,89.26 86.87,128.4 82.14,133.12 80.85,133.12
VGEN3_2V5 on L3_INT_1: 70.99,108.84 70.99,106.05 72.01,106.05 72.01,109.58 71.5,110.08 71.5,119.71 66.17,125.04 64.24,125.04 63.8,124.61 63.8,122.53 67.23,119.1 67.67,119.1 69.62,117.14 69.62,110.21
VGEN3_2V5 on L4_PWR_1: 76.96,89.66 77.34,89.28 77.97,89.28 78.6,88.65 78.6,86.2 77.85,85.45 74.55,85.45 74.55,85.47 74.17,85.47 73.79,85.85 73.79,88.52 73.79,88.52 73.79,100.96 70.23,104.52 70.23,105.79 71.25,106.81 72.52,106.81 76.96,102.36
VGEN3_2V5 on L5_PWR_2: 56.01,137.8 60.55,137.8 68.2,130.15 68.2,125.48 66.8,124.08 66.8,121.95 66.55,121.69 65.07,121.69 63.12,123.65 63.12,126.31 62.86,126.57 62.86,127.15 62.17,127.85 61.58,127.85 55.63,133.81 55.63,137.41
VGEN3_2V5 on L6_INT_2: 36.45,138.23 36.45,135.71 36.6,135.56 45.29,135.56 46.86,133.99 56.01,133.99 56.77,134.75 56.77,136.27 56.44,136.6 53.14,136.6 51.97,137.77 46.25,137.77 45.06,138.96 37.19,138.96
VGEN5_2V8 on L4_PWR_1: 77.6,77.34 77.6,81.66 80.9,84.96 80.9,90.3 82.17,91.57 82.17,111.38 82.04,111.51 70.74,111.51 69.47,112.78 69.47,113.79 69.85,114.17 81.15,114.17 81.79,114.81 81.79,124.84 77.39,129.24 51.26,129.24 50.9,128.88 50.9,128.4 50.88,128.37 46.2,128.37 46.2,136.3 46.28,136.37 52.32,136.37 53.24,137.29 62.86,137.29 67.94,132.21 74.1,132.21 74.31,132.41 74.65,132.41 75.13,132.89 76.4,132.89 76.89,132.41 82.47,132.41 86.61,128.27 86.61,86.99 80.14,80.52 80.14,77.34
VGEN5_2V8 on L6_INT_2: 34.54,130.56 34.54,129.67 35.28,128.93 44.91,128.93 45.57,128.27 46.81,128.27 46.99,128.45 46.99,129.34 46.86,129.46 45.67,129.46 43.31,131.83 36.7,131.83 35.92,131.04 35.03,131.04
VGEN6_3V3 on L5_PWR_2: 32.26,129.67 32.26,128.91 30.53,127.18 29.03,127.18 27.81,128.4 17.65,128.4 12.19,122.94 12.19,80.77 16,76.96 46.48,76.96 47.12,76.33 47.12,71.12 46.61,70.61 13.72,70.61 12.32,72.01 12.32,77.6 10.03,79.88 10.03,124.71 16.51,131.19 30.73,131.19
VSNVS_3V0 on L5_PWR_2: 67.18,123.95 67.18,121.67 67.31,121.54 77.98,121.54 78.61,122.17 78.61,123.83 76.61,125.83 69.06,125.83
VSNVS_3V0 on L5_PWR_2: 58.19,105.99 68.96,105.99 68.96,117.35 68.58,117.73 67.44,117.73 67.44,114.43 66.17,113.16 66.17,109.6 67.06,109.6 67.18,109.47 67.18,107.57 59.26,107.57 59.18,107.65 58.19,107.65

Small or netless copper shapes (teardrops, artwork), in the pictures only: 2 on TOP

## Text on the board
BOTTOM: 11 OF 14 | SECONDARY SIDE | 170-27392 REV C
Ref Des/Assembly Bottom: T | REF-27392_BOT
Board Geometry/Soldermask Bottom: 12 OF 14 | SECONDARY SOLDERMASK
Ref Des/Silkscreen Bottom: 5V_IN | SPKR | LVDS0 | USB | OTG | A | LVDS1 | Y | - | + | 13 OF 14 | SECONDARY SILKSCREEN | SD3 | DISP1/EPDC | GND | SD2 | DISP0/LCD
User.Comments: 1 OF 1 | TEST PROBE | 1/1 | 1
TOP: 4 OF 14 | PRIMARY SIDE
Ref Des/Assembly Top: REF-27392_TOP
Board Geometry/Soldermask Top: 3 OF 14 | PRIMARY SOLDERMASK
Ref Des/Silkscreen Top: D | C | B2 | WWAN | E | WLAN | WPAN | B | GND | BLUETOOTH | R T | +5V | MIC | USB TO UART | RESET | SPKR | TX | RX | VOLTAGE | OVER | 1GIG | LINK | 3V15 | GPS_MODE | PARALLEL | USB | OTG | POWER | VOL | SHUT | DN | UP | PMIC | ON | LP | HD_PH | 5V_IN | LN | RP | RN | CHRG | NOW | BOOT | SMART DEVICE | GPS ANTENNA | 2 OF 14 | MIPI | PRIMARY SILKSCREEN | MIPI DISP | CAN I/F | LVDS1 | - | + | http://imxcommunity.org/
L2_GND_1: 5 0F 14 | GND PLANE1
L3_INT_1: ANALOG | 6 OF 14 | INTERNAL SIGNAL 1
L4_PWR_1: 7 OF 14 | POWER PLANE 1
L5_PWR_2: 8 0F 14 | POWER PLANE 2
L6_INT_2: ANALOG | 9 OF 14 | INTERNAL SIGNAL 2
L7_GND_2: 10 OF 14 | GROUND PLANE 2
DIMENSION: 28 MIL TRACE IN THIS REGION ON TOP LAYER | MUST REFERENCE LAYER 4 @ 50 ohms | PRIMARY DATUM | GRID ORIGIN
BODY_CENTER: 22. THIS BOARD USES VIA-IN-PAD: | 23. INTENTIONAL SHORTS EXIST ON THIS BOARD PER THE FOLLOWING LIST: | A. VIA-IN-PAD TO BE FILLED WITH NON-CONDUCTIVE VIA FILL. | FOR DETAILED STACK-UP REFERENCE FREESCALE_SABRE_LITE (P123-8L-11172011).XLS | B. OVERPLATE THE FILLED VIAS AND APPLY FINISH METAL TREATMENT. | LACKWERKE-PETERS PP2795 OR EQUIVALENT AND MADE PLANAR TO THE PADS. | VIAS TO BE FILLED ARE REFERENCED AS 8.1 AND 10.1. | SH1  AUX_5V & AUX_5V_POUT | SH2  MPCIE_1V5 & VGEN_1V5 | SH3  SD2_3V3 & GEN_3V3 | SH4  GEN_3V3 & GEN_FB | SH7  AUX_3V15 & P1V8_SW4 | SH5  GEN_3V3 & P3V3_SW2 | SH8  EEMCIO_3V3 & GEN_3V3 | SH6  AUD_FB & AUX_3V15 | SH9  GEN_1V8 & VGEN4_1V8 | SH10 VDDSOC_FB & VDDSOC | SH12 DDR_FB & DDR_1V5 | SH13 VDDCORE & VDDCORE_FB | SH14 SWBST_FB & PMIC_5V | SH11 EMMC_3V3 & GEN_3V3 | SH17 VDDHIGH_IN & VGEN5_2V8 | SH15 SWBST_5V & PMIC_5V | SH18 DRAM_SDCLK1 & DDR_SDCLK1 | SH16 VDDS0C_VP & VDDSOC_CAP | SH19 DRAM_SDCLK1_B & DDR_SDCLK1_B | SH20 DRAM_SDLCK0_B & DDR_SDCLK0_B | SH22 DISPO_PWR & SYS_4V2 | SH24 ETH_3V3 & VGEN6_3V3 | SH21 DRAM_SDCLK0 & DDR_SDCLK0 | SH23 NVCC_RGMII & ETH_VDDIO_REG | SH503 GEN_2V5 & VDDHIGH_VPH | SH504 HDMI_GND & GND | SH502 JTAG_PWR & GEN_3V3 | SH26 EPD_PWR & SYS_4V2 | SH25 SATA_5V_CON & AUX_5V | SH505 SATA_DS & SATA_DEVSLP | SH500 DMIC_DAT & DMIC_DAT1 | SH501 CSI_I2C_EN & GEN_1V8 | SH506 DMIC_DAT & DMIC_DAT2 | 16 | 17 | 22 | 8
DISPLAY_BOTTOM: 1 OF 14 | PASTEMASK TOP
User.5: 14 OF 14 | SECONDARY PASTEMASK
User.8: USB to UART | CODEC | 3V3 SW | 5V SW | BOOT SW | DB9 | DDR3 | PFUZE | PARALLEL CAMERA | SPI NOR | MIPI CAMERA | Plastic Housing Edge | SHUTDOWN | PWR_ON | VOL-UP | VOL-DN | MIC | PWR | HP | RESET | SPKR | ENET | SIM | MX6 | PCIE | AUDIO | HDMI | MIPI | JTAG | CAN | CAN I/F | Conn | BAT | Panel | VGA | TOP
User.9: LVDS | Cable | 30-pin | USB TO UART | DDR3 | IC | CAN | BOOT RESISTORS | BAT_CHRG2 | ENET | BAT_CHRG1 | SD Card | DEBUG | USBOTG | EPDC BOARD OUTLINE | SD3 | SPKR | EPDC | SD2 | LVDS0 | LVDS1
User.10: cap?? | VERIFY VIA IN PAD SIZE FOR THIS PART | CHANGE PADSTACK AS REQUIRED | MODIFY CMGR TO CALL OUT NEW VIP NAME | ck c96 rotation | fix C94 in schematic | swap with sw5?? | move to L2? | gnd ref?? | ck vbus | fix diffs | change silk on leds | Boneyard
User.17: 2-17-12 | 9-19-12 | M.M. | B | C | CHANGES PER REV B SCHEMATIC | CHANGES PER REV C SCHEMATIC
User.30: FIGURE | SIZE | 8.0 | 8.1 | 10.0 | 10.1 | 12.0 | 35.0 | 40.0 | 41.0 | 44.0 | 45.0 | 47.0 | 52.0 | 63.0 | 120.0 | 126.0 | 147.0 | 22.0 | 43.0 | 56.0 | 125.0 | 128.0 | 34.0x30.0 | 59.0x33.0 | 158.0x40.0 | 178.0x40.0 | DRILL CHART: TOP to BOTTOM | ALL UNITS ARE IN MILS | TOLERANCE | +0.0/-8.0 | +0.0/-8.1 | +0.0/-10.0 | +0.0/-10.1 | +2.0/-2.0 | +3.0/-3.0 | +2.0/-0.0 | +5.0/-0.0 | PLATED | NON-PLATED | QTY | 2665 | 5 | 661 | 15 | 16 | 10 | 6 | 17 | 8 | 20 | 2 | 4 | 3 | 1
